# Altium PCB pcb_AGV_Control.PcbDoc (part 2 of 2)
Units mm, origin at the board's own origin, x right, y up, seen from the top; angles counter-clockwise.
Board outline 149.75 x 149.75 mm, 2 copper layers (Top Layer, Bottom Layer); 286 components, 239 nets, 906 pads, 160 vias.
Unrouted connection lines stored in the file: 6.
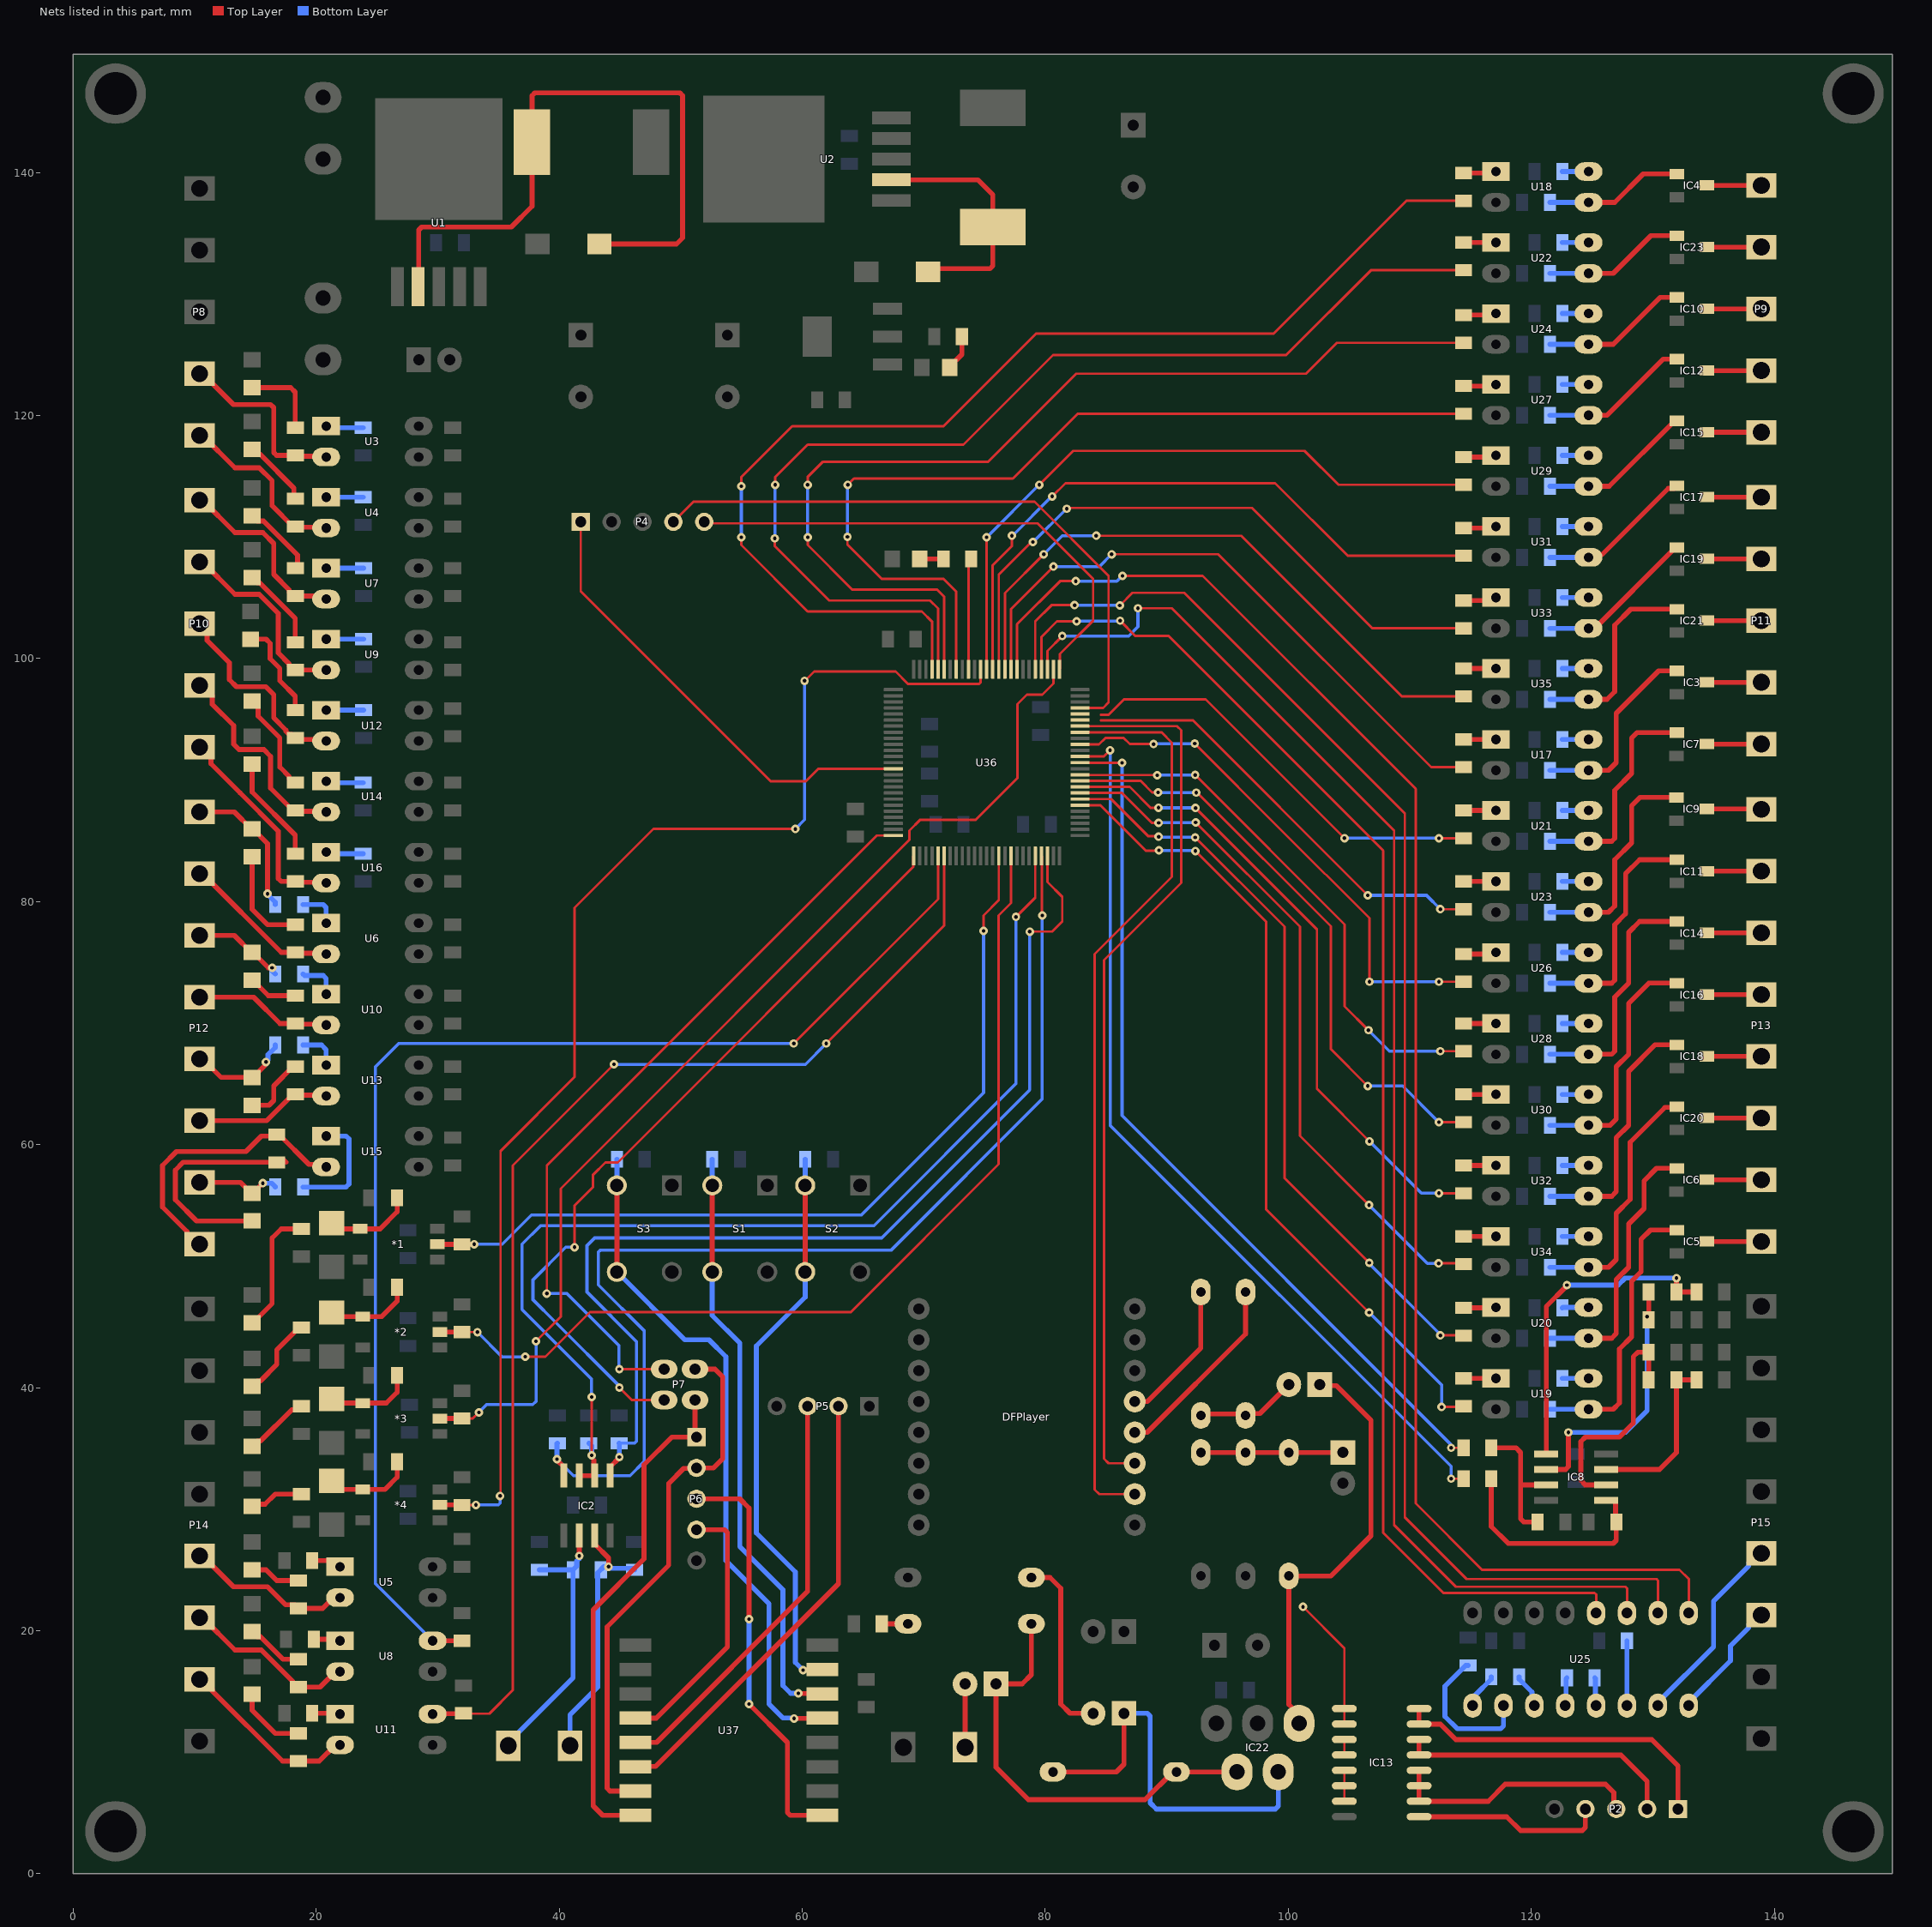
[diagram p2: the nets of this part, all layers, seen from the top]

## Via types
v1: diameter 0.7, hole 0.3, Top Layer to Bottom Layer, 160 vias

## Nets (pads, with @x,y where several pads share a name; then routed paths per layer and width w, separated by ;. In a path a pad name is that pad's centre, name@x,y a point inside that pad or via, vN(x,y) a via of type N, cw(c..) or ccw(c..) an arc to the next point about the centre after c; other vN are vias at no path point) (continued)
IN_lidar2: R20.2 U8.4 U36.30 | length 107.2
  Top Layer w0.203: v1(59.309,68.326) 71.184,80.201 U36.30@71.184,83.76
  Top Layer w0.406: U8.4@29.591,19.177 R20.2@32.004,19.177
  Bottom Layer w0.254: U8.4@29.591,19.177 29.512,19.177 28.996,19.693 28.996,19.772 24.892,23.876 24.892,66.421 26.797,68.326 v1(59.309,68.326)
IN_lidar3: R32.2 U11.4 U36.31 | length 100
  Top Layer w0.203: R32.2@32.099,13.176 34.258,13.176 36.195,15.113 36.195,58.298 v1(44.506,66.609) ; v1(61.976,68.326) 71.684,78.034 U36.31@71.684,83.76
  Top Layer w0.406: U11.4@29.591,13.144 29.623,13.176 R32.2@32.099,13.176
  Bottom Layer w0.254: v1(44.506,66.609) 60.259,66.609 v1(61.976,68.326)
Input1: P8.2 R4.2 U3.2 | length 15.4
  Top Layer w0.406: P8.2@10.414,123.444 10.664,123.444 13.204,120.904 16.256,120.904 16.51,120.65 16.51,116.951 16.748,116.713 R4.2@18.288,116.713 18.352,116.65 20.764,116.65 U3.2@20.828,116.586
Input2: P8.1 R7.2 U4.2 | length 14.8
  Top Layer w0.406: P8.1@10.414,118.364 10.664,118.364 13.331,115.697 15.322,115.697 16.383,114.636 16.383,112.578 18.09,110.871 R7.2@18.288,110.871 18.352,110.808 20.764,110.808 U4.2@20.828,110.744
Input3: P10.5 R19.2 U7.2 | length 15.4
  Top Layer w0.406: P10.5@10.414,113.03 10.664,113.03 13.331,110.363 15.621,110.363 16.51,109.474 16.51,106.934 17.793,105.651 17.793,105.453 18.09,105.156 19.891,105.156 20.145,104.902 U7.2@20.828,104.902
Input4: P10.4 R30.2 U9.2 | length 16.1
  Top Layer w0.406: P10.4@10.414,107.95 10.664,107.95 13.331,105.283 15.322,105.283 16.891,103.714 16.891,102.108 16.878,102.095 16.878,100.47 17.793,99.555 17.793,99.357 18.09,99.06 R30.2@18.288,99.06 U9.2@20.828,99.06
Input5: P10.3 R42.2 U12.2 | length 16.9
  Top Layer w0.406: P10.3@10.414,102.87 11.024,102.26 11.024,101.498 12.858,99.664 12.858,98.267 13.446,97.679 15.859,97.679 16.51,97.028 16.51,95.123 17.526,94.107 17.526,94.007 17.764,93.769 17.991,93.769 18.415,93.345 20.701,93.345 U12.2@20.828,93.218
Input6: P10.2 R54.2 U14.2 | length 17.6
  Top Layer w0.406: P10.2@10.414,97.79 10.664,97.79 11.461,96.993 11.461,96.235 13.208,94.488 13.208,92.964 13.665,92.507 15.697,92.507 16.256,91.948 16.256,89.336 18.09,87.503 R54.2@18.288,87.503 18.351,87.439 20.765,87.439 U14.2@20.828,87.376
Input7: P10.1 R60.2 U16.2 | length 17.7
  Top Layer w0.406: P10.1@10.414,92.71 10.55,92.71 11.347,91.913 11.347,91.344 13.739,88.952 16.891,85.8 16.891,81.899 17.129,81.661 R60.2@18.288,81.661 18.351,81.597 20.764,81.597 U16.2@20.828,81.534
Input8+: LED6.1 P12.8 R16.1 | length 11.9
  Top Layer w0.406: P12.8@10.414,87.376 13.271,87.376 14.668,85.979 LED6.1@14.732,85.979 14.795,85.979 16.002,84.772 v1(16.002,80.645)
  Bottom Layer w0.406: v1(16.002,80.645) 16.002,80.59 16.637,79.954 R16.1@16.637,79.756
Input8-: P12.7 R18.2 U6.2 | length 13.1
  Top Layer w0.406: P12.7@10.414,82.296 10.664,82.296 17.141,75.819 R18.2@18.288,75.819 18.351,75.755 20.765,75.755 U6.2@20.828,75.692
Input9+: LED11.1 P12.6 R29.1 | length 7.7
  Top Layer w0.406: P12.6@10.414,77.216 13.271,77.216 14.668,75.819 LED11.1@14.732,75.819 14.795,75.819 16.066,74.549 v1(16.383,74.549)
  Bottom Layer w0.406: v1(16.383,74.549) 16.383,74.295 R29.1@16.637,74.041
Input9-: P12.5 R31.2 U10.2 | length 11.4
  Top Layer w0.406: P12.5@10.414,72.136 14.859,72.136 17.018,69.977 R31.2@18.288,69.977 18.351,69.913 20.764,69.913 U10.2@20.828,69.85
Input10+: LED15.1 P12.4 R40.1 | length 8.4
  Top Layer w0.406: P12.4@10.414,67.056 10.664,67.056 12.188,65.532 LED15.1@14.732,65.532 14.795,65.532 15.875,66.611 v1(15.875,66.802)
  Bottom Layer w0.406: v1(15.875,66.802) 16.04,66.967 16.04,67.404 16.637,68.001 R40.1@16.637,68.199
Input10-: P12.3 R43.2 U13.2 | length 11.4
  Top Layer w0.406: P12.3@10.414,61.976 15.931,61.976 18.09,64.135 R43.2@18.288,64.135 18.351,64.071 20.765,64.071 U13.2@20.828,64.008
Input11+: LED18.1 P12.2 R51.1 | length 7.1
  Top Layer w0.406: P12.2@10.414,56.896 13.779,56.896 14.668,56.007 LED18.1@14.732,56.007 14.795,56.007 v1(15.621,56.832)
  Bottom Layer w0.406: v1(15.621,56.832) 16.34,56.832 16.637,56.536 R51.1@16.637,56.515
Input11-: P12.1 R56.2 U15.2 | length 23.5
  Top Layer w0.406: P12.1@10.414,51.816 10.164,51.816 9.367,52.613 9.367,52.863 7.366,54.864 7.366,58.293 8.509,59.436 14.224,59.436 15.494,60.706 16.637,60.706 R56.2@16.764,60.833 16.962,60.833 19.416,58.38 20.614,58.38 U15.2@20.828,58.166
IO0: P6.4 U37.12 | length 22.1
  Top Layer w0.406: U37.12@46.275,12.811 47.99,12.811 53.848,18.669 53.848,28.083 53.61,28.321 P6.4@51.308,28.321
IO4: P5.3 U37.13 | length 34.6
  Top Layer w0.406: U37.13@46.275,10.811 48.022,10.811 60.452,23.241 P5.3@60.452,38.481
IO5: P5.2 U37.14 | length 37.6
  Top Layer w0.406: U37.14@46.275,8.811 46.295,8.831 47.947,8.831 62.992,23.876 P5.2@62.992,38.481
LIDAR1: P14.4 R12.2 U5.2 | length 13.7
  Top Layer w0.406: P14.4@10.414,26.162 10.664,26.162 13.204,23.622 16.002,23.622 17.488,22.136 18.25,22.136 R12.2@18.542,21.844 20.539,21.844 21.428,22.733 U5.2@21.971,22.733
LIDAR2: P14.3 R24.2 U8.2 | length 14.6
  Top Layer w0.406: P14.3@10.414,21.082 10.664,21.082 13.331,18.415 15.494,18.415 18.047,15.862 18.047,15.664 18.344,15.367 R24.2@18.542,15.367 20.32,15.367 21.59,16.637 U8.2@21.971,16.637
LIDAR3: P14.2 R37.2 U11.2 | length 15
  Top Layer w0.406: P14.2@10.414,16.002 10.664,16.002 11.461,15.205 11.461,15.044 17.234,9.271 R37.2@18.542,9.271 20.256,9.271 21.59,10.604 U11.2@21.971,10.604
MAX485_EN: IC2.2 IC2.3 R53.1 U36.46 | length 88.9
  Top Layer w0.203: v1(42.672,34.437) v1(42.672,39.243) ; v1(77.597,78.74) 79.184,80.327 U36.46@79.184,83.76
  Top Layer w0.406: IC2.3@41.656,32.766 IC2.2@42.926,32.766 42.85,32.842 42.85,34.026
  Bottom Layer w0.254: v1(42.672,39.243) 42.672,40.723 36.957,46.438 36.957,51.816 38.481,53.34 65.913,53.34 77.597,65.024 v1(77.597,78.74)
  Bottom Layer w0.406: R53.1@42.443,35.433 42.672,35.204 v1(42.672,34.437)
Net*1_1: *1.1 D3.2 R10.2 | length 7.3
  Top Layer w0.406: D3.2@21.285,53.548 21.76,53.073 *1.1@23.622,53.073 25.26,53.073 26.67,54.483 R10.2@26.67,55.626
Net*2_1: *2.1 D4.2 R22.2 | length 7.2
  Top Layer w0.406: D4.2@21.285,46.182 21.621,45.847 *2.1@23.851,45.847 25.4,45.847 26.67,47.117 R22.2@26.67,48.26
Net*3_1: *3.1 D5.2 R35.2 | length 7.3
  Top Layer w0.406: D5.2@21.285,39.07 21.621,38.735 *3.1@23.851,38.735 25.781,38.735 26.67,39.624 R35.2@26.67,41.021
Net*4_1: *4.1 D6.2 R46.2 | length 7.4
  Top Layer w0.406: D6.2@21.285,32.339 22.002,31.623 *4.1@23.851,31.623 25.654,31.623 26.67,32.639 R46.2@26.67,33.909
NetC13_2: C13.2 IC8.3 R77.1 | length 11.6
  Top Layer w0.406: R77.1@116.713,35.052 118.745,35.052 119.126,34.671 119.126,32.004 ; C13.2@120.523,28.956 119.38,28.956 119.126,29.21 119.126,32.004 ; IC8.3@121.234,32.004 119.126,32.004
NetC15_2: C15.2 IC8.5 R83.1 | length 19
  Top Layer w0.406: R83.1@116.713,32.512 116.713,28.575 118.11,27.178 126.746,27.178 127,27.432 C15.2@127,28.956 126.949,29.007 126.949,30.658 126.873,30.734 IC8.5@126.162,30.734
NetC18_1: C18.1 IC22.1 R126.1 | length 35.6
  Top Layer w0.406: IC22.1@100.887,12.382 100.887,13.103 100.049,13.941 R126.1@100.049,24.511 103.505,24.511 106.807,27.813 106.807,37.338 103.977,40.168 102.68,40.168 C18.1@102.589,40.259
NetC18_2: C18.2 R123.2 R124.2 | length 8.5
  Top Layer w0.406: R124.2@92.81,37.719 92.937,37.846 96.366,37.846 R123.2@96.493,37.719 96.649,37.875 97.665,37.875 99.895,40.105 100.049,40.105 C18.2@100.049,40.259
NetC19_1: C19.1 IC22.4 R127.1 R129.1 | length 36.2
  Top Layer w0.406: R127.1@78.867,20.574 78.867,16.383 78.105,15.621 C19.1@75.946,15.621 75.946,8.763 78.613,6.096 88.219,6.096 90.505,8.382 R129.1@90.805,8.382 IC22.4@95.787,8.382
NetC19_2: C19.2 P3.1 | length 5.2
  Top Layer w0.406: P3.1@73.406,10.414 C19.2@73.406,15.621
NetC21_1: C21.1 R125.1 R126.2 R128.1 | length 11.7
  Top Layer w0.406: R125.1@92.81,34.671 R128.1@96.493,34.671 R126.2@100.049,34.671 C21.1@104.494,34.671
NetC23_2: C23.2 R127.2 | length 2.2
  Top Layer w0.406: C23.2@66.548,20.574 R127.2@68.707,20.574
NetC24_1: C24.1 IC22.2 R129.2 | length 33.3
  Top Layer w0.406: R129.2@80.645,8.382 85.852,8.382 86.487,9.017 C24.1@86.487,13.208
  Bottom Layer w0.406: C24.1@86.487,13.208 88.408,13.208 88.646,12.97 88.646,5.842 89.154,5.334 98.949,5.334 99.187,5.572 IC22.2@99.187,8.382
NetC24_2: C24.2 R130.2 | length 15.3
  Top Layer w0.406: R130.2@78.867,24.384 80.391,24.384 81.28,23.495 81.28,13.97 82.042,13.208 C24.2@83.947,13.208
NetC26_2: C26.2 U25.2 | length 12.1
  Bottom Layer w0.406: C26.2@114.808,17.145 114.61,17.145 112.903,15.439 112.903,12.954 113.919,11.938 117.483,11.938 117.722,12.176 U25.2@117.722,13.841
NetC27_1: C27.1 U25.3 | length 2.9
  Bottom Layer w0.406: C27.1@118.999,16.216 118.999,16.018 120.052,14.964 120.052,14.05 U25.3@120.262,13.841
NetC27_2: C27.2 U25.1 | length 3
  Bottom Layer w0.406: U25.1@115.182,13.841 115.391,14.05 115.391,14.695 116.713,16.018 C27.2@116.713,16.216
NetC29_1: C29.1 U25.5 | length 2.3
  Bottom Layer w0.406: C29.1@125.222,16.129 125.282,16.069 125.282,13.901 U25.5@125.342,13.841
NetC29_2: C29.2 U25.4 | length 2.3
  Bottom Layer w0.406: U25.4@122.802,13.841 122.869,13.908 122.869,16.062 C29.2@122.936,16.129
NetC30_2: C30.2 U25.6 | length 5.3
  Bottom Layer w0.406: U25.6@127.882,13.841 C30.2@127.882,19.177
NetD1_2: D1.2 L1.1 U1.2 | length 53.9
  Top Layer w0.406: U1.2@28.448,131.922 28.448,135.271 28.686,135.509 36.068,135.509 37.772,137.213 L1.1@37.772,142.494 37.772,146.32 38.01,146.558 49.927,146.558 50.165,146.32 50.165,134.62 49.657,134.112 D1.2@43.311,134.112
NetD2_2: D2.2 L2.1 U2.2 | length 20.2
  Top Layer w0.406: U2.2@67.341,139.397 74.471,139.397 75.692,138.176 L2.1@75.692,135.509 75.692,132.318 75.454,132.08 70.616,132.08 D2.2@70.362,131.826
NetDFPlayer_4: DFPlayer.4 R123.1 | length 15.9
  Top Layer w0.406: DFPlayer.4@87.376,36.322 88.392,36.322 96.493,44.423 R123.1@96.493,47.879
NetDFPlayer_5: DFPlayer.5 R124.1 | length 11.9
  Top Layer w0.406: DFPlayer.5@87.376,38.862 88.408,38.862 92.81,43.264 R124.1@92.81,47.879
NetIC2_6: IC2.6 P1.2 R55.2 R57.1 | length 22.5
  Top Layer w0.406: v1(41.656,26.162) IC2.6@41.656,27.838
  Bottom Layer w0.406: P1.2@35.814,10.541 35.814,10.791 41.148,16.125 R55.2@41.148,25.019 ; R57.1@38.379,25.019 R55.2@41.148,25.019 ; v1(41.656,26.162) 41.656,25.928 41.445,25.717 41.445,25.316 R55.2@41.148,25.019
NetIC2_7: IC2.7 P1.1 R44.2 R55.1 | length 21.5
  Top Layer w0.406: IC2.7@42.926,27.838 42.926,27.127 44.069,25.984 v1(44.069,25.273)
  Bottom Layer w0.406: P1.1@40.894,10.541 40.894,13.081 43.18,15.367 43.18,24.765 43.688,25.273 v1(44.069,25.273) 44.196,25.146 46.076,25.146 R44.2@46.203,25.019
NetIC3_1: IC3.1 R69.1 U17.3 | length 16.2
  Top Layer w0.406: U17.3@124.714,90.805 126.365,90.805 127,91.44 127,95.504 130.485,98.989 IC3.1@131.978,98.989
  Bottom Layer w0.406: R69.1@121.539,90.805 U17.3@124.714,90.805
NetIC4_1: IC4.1 R70.1 U18.3 | length 11.4
  Top Layer w0.406: U18.3@124.714,137.541 126.873,137.541 129.215,139.883 IC4.1@131.978,139.883
  Bottom Layer w0.406: R70.1@121.539,137.541 U18.3@124.714,137.541
NetIC5_1: IC5.1 R71.1 U19.3 | length 23.4
  Top Layer w0.406: U19.3@124.714,38.227 126.746,38.227 127.254,38.735 127.254,43.18 128.27,44.196 128.27,48.768 129.032,49.53 129.032,52.197 129.81,52.975 IC5.1@131.978,52.975
  Bottom Layer w0.406: R71.1@121.539,38.227 U19.3@124.714,38.227
NetIC6_1: IC6.1 R72.1 U20.3 | length 22.3
  Top Layer w0.406: U20.3@124.714,44.069 126.619,44.069 127,44.45 127,48.895 128.016,49.911 128.016,53.467 129.286,54.737 129.286,57.023 130.318,58.055 IC6.1@131.973,58.055
  Bottom Layer w0.406: R72.1@121.539,44.069 U20.3@124.714,44.069
NetIC7_1: IC7.1 R78.1 U21.3 | length 18.2
  Top Layer w0.406: U21.3@124.714,84.963 126.619,84.963 126.873,85.217 126.873,89.154 128.27,90.551 128.27,93.472 128.707,93.909 IC7.1@131.973,93.909
  Bottom Layer w0.406: R78.1@121.539,84.963 U21.3@124.714,84.963
NetIC8_1: IC8.1 R79.2 R82.2 | length 26.7
  Top Layer w0.406: IC8.1@121.234,34.544 121.234,46.685 122.936,48.387 v1(122.936,48.45) ; v1(131.953,49.022) R79.2@131.953,47.879 R82.2@133.604,47.879
  Bottom Layer w0.406: v1(122.936,48.45) 127.159,48.45 127.73,49.022 v1(131.953,49.022)
NetIC8_7: IC8.7 R84.2 R85.2 | length 14
  Top Layer w0.406: IC8.7@126.162,33.274 130.556,33.274 131.953,34.671 R84.2@131.953,40.64 R85.2@133.604,40.64
NetIC9_1: IC9.1 R91.1 U23.3 | length 18.4
  Top Layer w0.406: U23.3@124.714,79.121 126.365,79.121 126.873,79.629 126.873,83.439 128.27,84.836 128.27,87.884 128.961,88.575 IC9.1@131.968,88.575
  Bottom Layer w0.406: R91.1@121.539,79.121 U23.3@124.714,79.121
NetIC10_1: IC10.1 R92.1 U24.3 | length 12
  Top Layer w0.406: U24.3@124.714,125.857 126.746,125.857 130.612,129.723 IC10.1@131.978,129.723
  Bottom Layer w0.406: R92.1@121.539,125.857 U24.3@124.714,125.857
NetIC11_1: IC11.1 R97.1 U26.3 | length 19.3
  Top Layer w0.406: U26.3@124.714,73.279 126.619,73.279 126.873,73.533 126.873,78.105 127.762,78.994 127.762,82.296 128.921,83.455 IC11.1@131.978,83.455
  Bottom Layer w0.406: R97.1@121.539,73.279 U26.3@124.714,73.279
NetIC12_1: IC12.1 R98.1 U27.3 | length 12.4
  Top Layer w0.406: U27.3@124.714,120.015 126.238,120.015 130.866,124.643 IC12.1@131.978,124.643
  Bottom Layer w0.406: R98.1@121.539,120.015 U27.3@124.714,120.015
NetIC13_9: IC13.9 P2.4 | length 15.8
  Top Layer w0.406: IC13.9@110.771,4.699 117.983,4.699 119.126,3.556 124.206,3.556 124.46,3.81 P2.4@124.46,5.334
NetIC13_10: IC13.10 IC13.11 IC13.12 P2.3 | length 20.9
  Top Layer w0.406: IC13.12@110.771,8.509 IC13.11@110.771,7.239 IC13.10@110.771,5.969 116.459,5.969 117.856,7.366 126.111,7.366 126.791,6.686 126.791,5.543 P2.3@127,5.334
NetIC13_13: IC13.13 IC13.14 P2.2 | length 23.2
  Top Layer w0.406: IC13.14@110.771,11.049 IC13.13@110.771,9.779 127.381,9.779 129.54,7.62 P2.2@129.54,5.334
NetIC13_15: IC13.15 IC13.16 P2.1 | length 27.6
  Top Layer w0.406: IC13.16@110.771,13.589 IC13.15@110.771,12.319 112.522,12.319 113.792,11.049 129.921,11.049 132.08,8.89 P2.1@132.08,5.334
NetIC14_1: IC14.1 R103.1 U28.3 | length 20
  Top Layer w0.406: U28.3@124.714,67.437 126.619,67.437 126.873,67.691 126.873,72.136 128.016,73.279 128.016,77.47 128.921,78.375 IC14.1@131.978,78.375
  Bottom Layer w0.406: R103.1@121.539,67.437 U28.3@124.714,67.437
NetIC15_1: IC15.1 R104.1 U29.3 | length 12.7
  Top Layer w0.406: U29.3@124.714,114.173 126.414,114.173 131.803,119.563 IC15.1@131.978,119.563
  Bottom Layer w0.406: R104.1@121.539,114.173 U29.3@124.714,114.173
NetIC16_1: IC16.1 R109.1 U30.3 | length 20.3
  Top Layer w0.406: U30.3@124.714,61.595 126.492,61.595 127,62.103 127,66.421 128.016,67.437 128.016,71.628 129.683,73.295 IC16.1@131.978,73.295
  Bottom Layer w0.406: R109.1@121.539,61.595 U30.3@124.714,61.595
NetIC17_1: IC17.1 R110.1 U31.3 | length 12.9
  Top Layer w0.406: U31.3@124.714,108.331 124.928,108.545 125.817,108.545 131.279,114.007 131.757,114.007 IC17.1@131.978,114.229
  Bottom Layer w0.406: R110.1@121.539,108.331 U31.3@124.714,108.331
NetIC18_1: IC18.1 R115.1 U32.3 | length 20.8
  Top Layer w0.406: U32.3@124.714,55.753 126.619,55.753 127,56.134 127,60.579 128.016,61.595 128.016,66.04 130.191,68.215 IC18.1@131.978,68.215
  Bottom Layer w0.406: R115.1@121.539,55.753 U32.3@124.714,55.753
NetIC19_1: IC19.1 R116.1 U33.3 | length 13.2
  Top Layer w0.406: U33.3@124.714,102.489 125.222,102.489 131.582,108.849 131.582,108.927 131.803,109.149 IC19.1@131.978,109.149
  Bottom Layer w0.406: R116.1@121.539,102.489 U33.3@124.714,102.489
NetIC20_1: IC20.1 R121.1 U34.3 | length 20.9
  Top Layer w0.406: U34.3@124.714,49.911 126.365,49.911 127,50.546 127,54.356 128.143,55.499 128.143,60.198 131.007,63.062 131.905,63.062 IC20.1@131.978,63.135
  Bottom Layer w0.406: R121.1@121.539,49.911 U34.3@124.714,49.911
NetIC21_1: IC21.1 R122.1 U35.3 | length 16.7
  Top Layer w0.406: U35.3@124.714,96.647 126.238,96.647 126.873,97.282 126.873,102.743 128.199,104.069 IC21.1@131.978,104.069
  Bottom Layer w0.406: R122.1@121.539,96.647 U35.3@124.714,96.647
NetIC23_1: IC23.1 R80.1 U22.3 | length 11.7
  Top Layer w0.406: U22.3@124.714,131.699 126.746,131.699 129.85,134.803 IC23.1@131.978,134.803
  Bottom Layer w0.406: R80.1@121.539,131.699 U22.3@124.714,131.699
NetLabel557: IC8.2 R79.1 R81.1 | length 22
  Top Layer w0.406: IC8.2@121.234,33.274 122.825,33.274 123.063,33.512 v1(123.063,36.322) ; v1(129.54,45.847) 129.54,45.72 R81.1@129.667,45.593 ; R81.1@129.667,45.847 R79.1@129.667,47.879
  Bottom Layer w0.406: v1(123.063,36.322) 127.762,36.322 129.54,38.1 v1(129.54,45.847)
NetLabel599: IC8.6 R84.1 R87.1 | length 19.5
  Top Layer w0.406: IC8.6@126.162,32.004 124.46,32.004 124.079,32.385 124.079,35.56 124.46,35.941 127.254,35.941 128.397,37.084 128.397,42.545 128.778,42.926 R87.1@129.667,42.926 R84.1@129.667,40.64
NetLED1_1: LED1.1 R1.2 | length 3
  Top Layer w0.406: LED1.1@72.136,123.952 72.136,124.015 73.152,125.032 R1.2@73.152,126.492
NetLED2_2: LED2.2 R4.1 | length 6.6
  Top Layer w0.406: LED2.2@14.732,122.301 17.907,122.301 18.288,121.92 R4.1@18.288,118.999
NetLED3_2: LED3.2 R7.1 | length 5.7
  Top Layer w0.406: LED3.2@14.732,117.221 15.164,116.789 15.418,116.789 18.178,114.029 18.178,113.267 R7.1@18.288,113.157
NetLED4_2: LED4.2 R12.1 | length 4.2
  Top Layer w0.406: LED4.2@14.732,25.019 15.875,25.019 16.764,24.13 R12.1@18.542,24.13
NetLED5_2: LED5.2 R15.1 | length 10.4
  Top Layer w0.406: LED5.2@14.732,45.339 14.986,45.593 15.05,45.593 16.383,46.926 16.383,52.324 17.132,53.073 R15.1@18.796,53.073
NetLED6_2: LED6.2 R18.1 | length 8.4
  Top Layer w0.406: LED6.2@14.732,83.693 14.732,79.375 16.002,78.105 R18.1@18.288,78.105
NetLED7_2: LED7.2 R19.1 | length 6.2
  Top Layer w0.406: LED7.2@14.732,111.76 15.164,111.328 15.672,111.328 18.479,108.521 18.479,107.632 R19.1@18.288,107.442
NetLED8_2: LED8.2 R24.1 | length 4.8
  Top Layer w0.406: LED8.2@14.732,19.939 15.164,19.507 15.418,19.507 17.272,17.653 R24.1@18.542,17.653
NetLED9_2: LED9.2 R28.1 | length 6.8
  Top Layer w0.406: LED9.2@14.732,40.132 15.164,40.564 15.418,40.564 16.764,41.91 16.764,43.124 18.598,44.958 R28.1@18.796,44.958
NetLED10_2: LED10.2 R30.1 | length 6.9